# KiCad board LC_RFE-RevA2.kicad_pcb (continued)
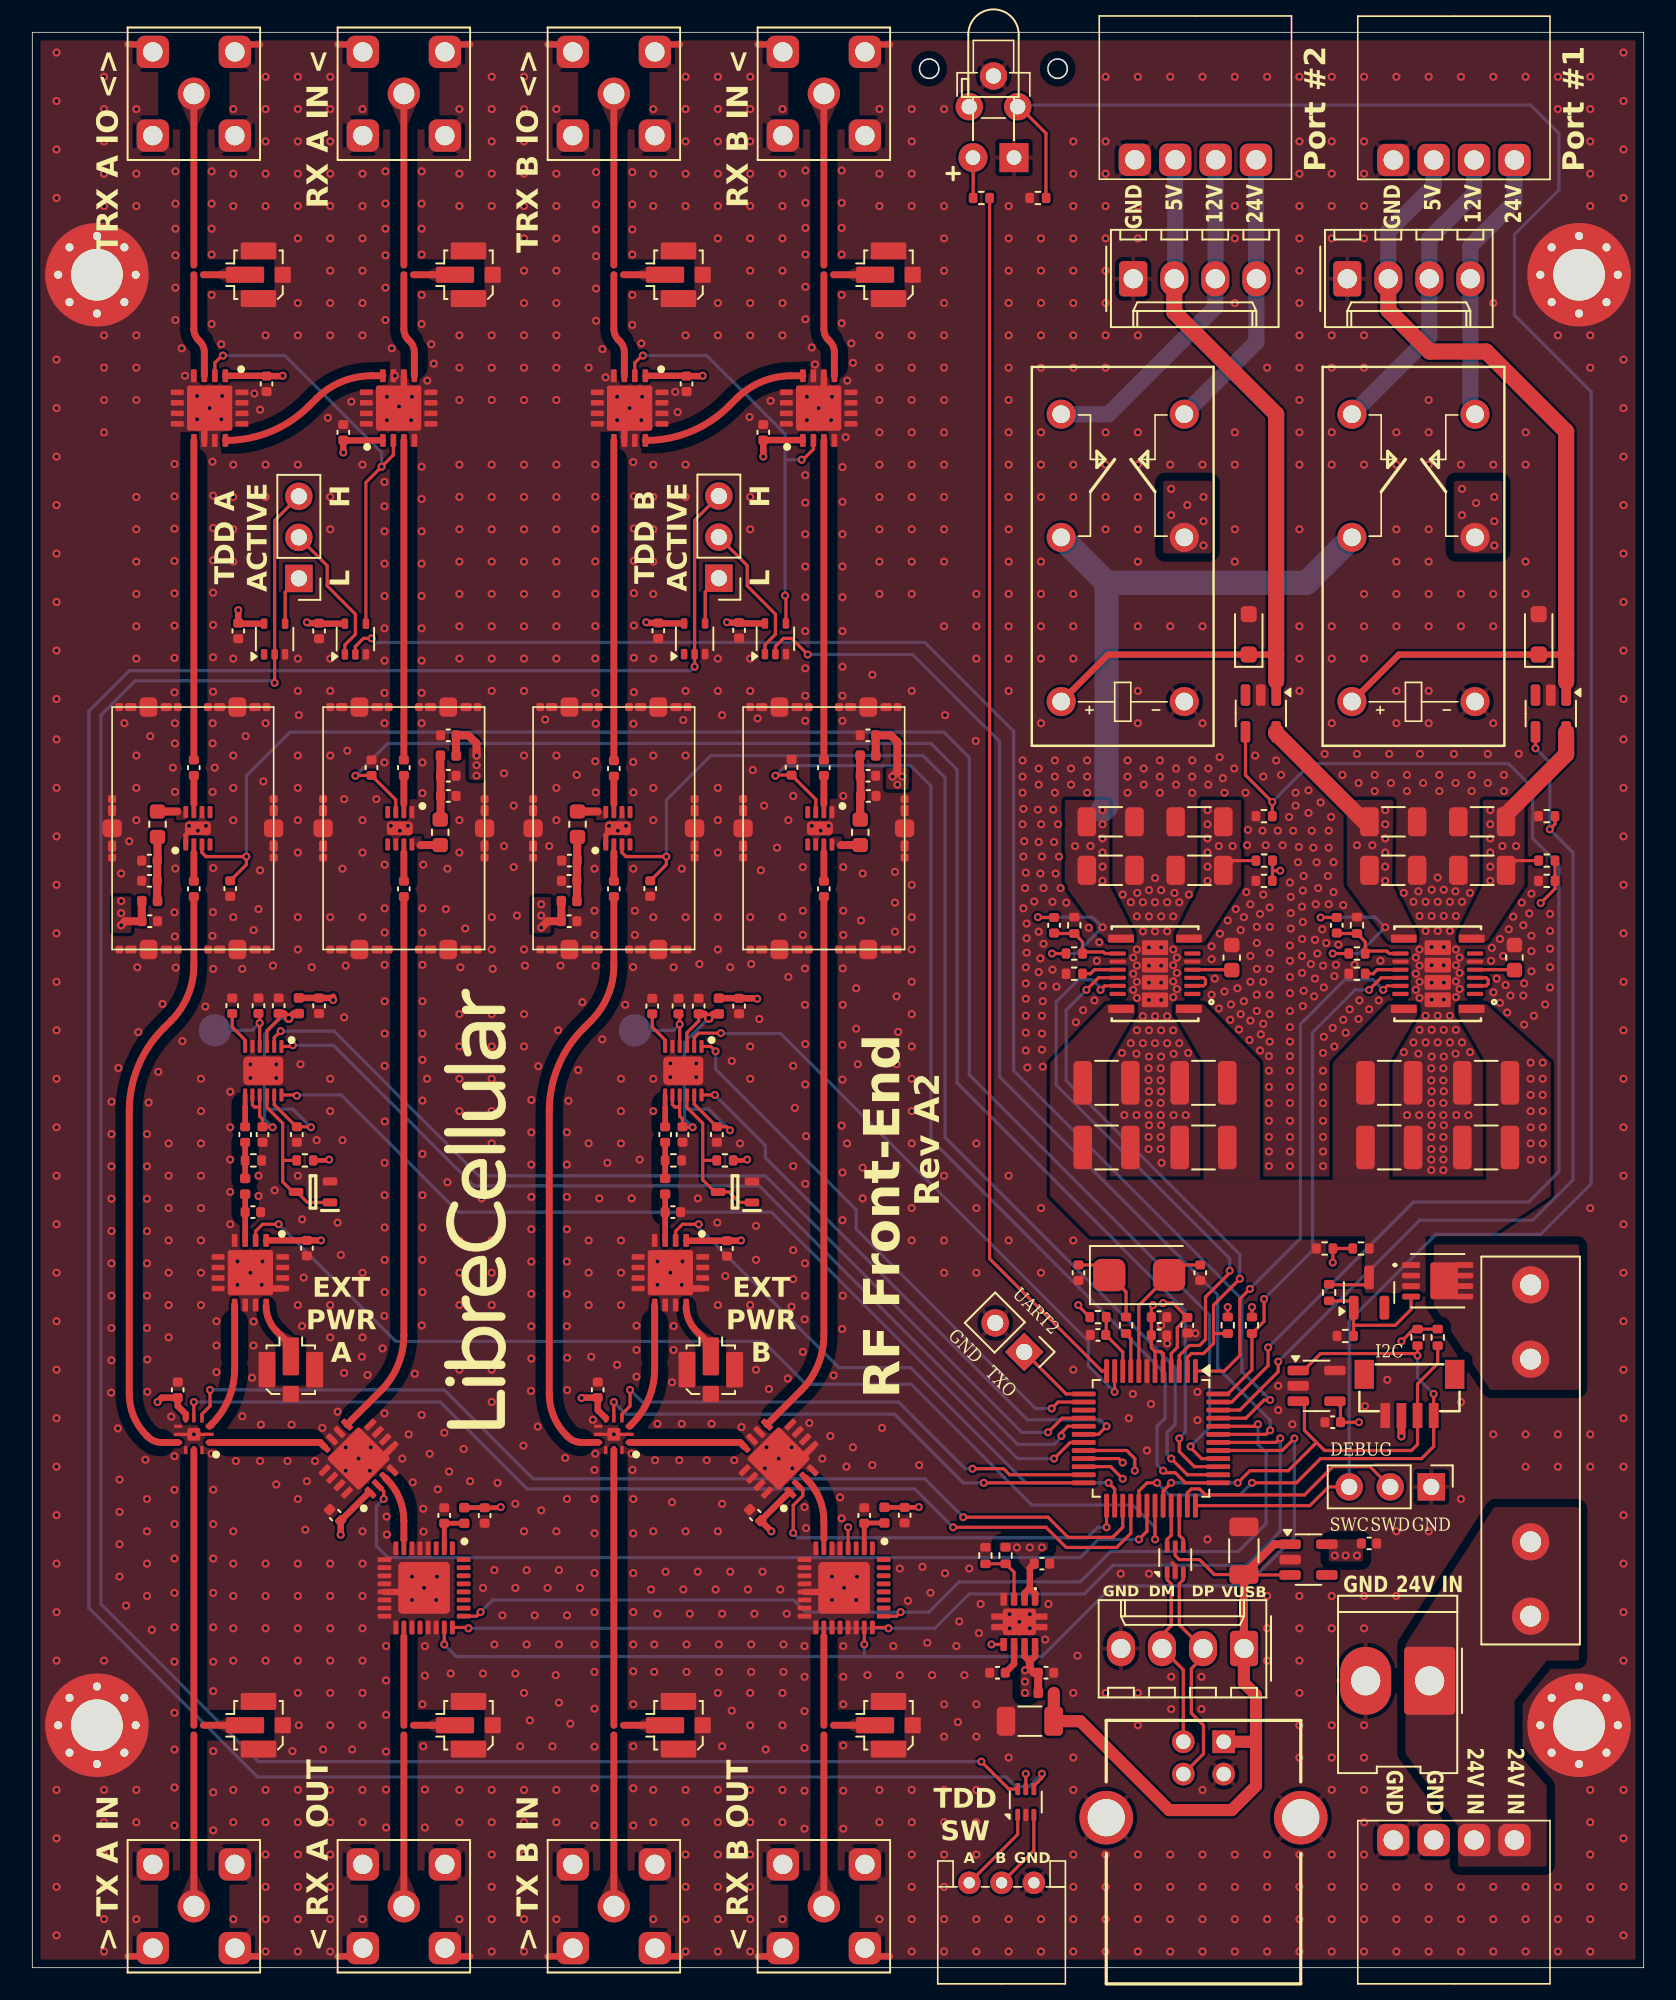
[diagram p0: board, top side]
## Library data of the parts
C201-C204 C211-C214 = -: Description: Unpolarized capacitor; JLCASSY: C597578; ki_fp_filters: C_*
C205 C215 = -: Description: Unpolarized capacitor; JLCASSY: C519560; ki_fp_filters: C_*
C206 C909 C1009 = -: Description: Unpolarized capacitor; ki_fp_filters: C_*
C207-C210 C217-C220 C307 C601 = -: Description: Unpolarized capacitor; JLCASSY: C478862; ki_fp_filters: C_*
C216 = -: Description: Unpolarized capacitor; JLCASSY: C1579; ki_fp_filters: C_*
C301 C308 C603 C701 C801 C902 C1002 C1101 C1201 C1301 C1401 = -: Description: Unpolarized capacitor; JLCASSY: C23733; ki_fp_filters: C_*
C302-C304 C309 C602 C604 C702 C802 C903-C905 C910-C912 C1003-C1005 C1010-C1012 C1105 C1205 C1305 C1405 C1501-C1504 C1601-C1604 = -: Description: Unpolarized capacitor; JLCASSY: C307331; ki_fp_filters: C_*
C305 C306 = -: Description: Unpolarized capacitor; JLCASSY: C1549; ki_fp_filters: C_*
C906 C907 C1006 C1007 = -: Description: Unpolarized capacitor; JLCASSY: C126493; ki_fp_filters: C_*
C908 C1008 = -: Description: Unpolarized capacitor; JLCASSY: C85878; ki_fp_filters: C_*
C1102 C1202 C1302 C1402 = -: Description: Unpolarized capacitor; JLCASSY: C52923; ki_fp_filters: C_*
C1103 C1203 C1303 C1403 = -: Description: Unpolarized capacitor; JLCASSY: C77177; ki_fp_filters: C_*
C1104 C1204 C1304 C1404 = -: Description: Unpolarized capacitor; JLCASSY: C1557; ki_fp_filters: C_*
C1106 C1206 C1306 C1406 = -: Description: Unpolarized capacitor; JLCASSY: C1523; ki_fp_filters: C_*
CON101 CON104 CON105 CON401-CON404 = -: Description: Generic connector, single row, 01x04, script generated (kicad-library-utils/schlib/autogen/connector/); ki_fp_filters: Connector*:*_1x??_*
CON102 J302 = -: Description: Generic connector, single row, 01x02, script generated (kicad-library-utils/schlib/autogen/connector/); ki_fp_filters: Connector*:*_1x??_*
CON103 = -: Description: USB Type B connector; ki_fp_filters: USB*
CON501-CON508 = -: Description: coaxial connector (BNC, SMA, SMB, SMC, Cinch/RCA, LEMO, ...); ki_fp_filters: *BNC* *SMA* *SMB* *SMC* *Cinch* *LEMO* *UMRF* *MCX* *U.FL*
CON509-CON516 CON901 CON1001 = -: Description: uFL coaxial connector; MFG: HCTL; MPN: HC-RF-IPEX0303-01; JLCASSY: C2894919; ki_fp_filters: *BNC* *SMA* *SMB* *SMC* *Cinch* *LEMO* *UMRF* *MCX* *U.FL*
CON517 J301 J1501 J1601 = -: Description: Generic connector, single row, 01x03, script generated (kicad-library-utils/schlib/autogen/connector/); ki_fp_filters: Connector*:*_1x??_*
D101 = -: Description: Zener diode, filled shape; JLCASSY: C82475; ki_fp_filters: TO-???* *_Diode_* *SingleDiode* D_*
D102 D501 = -: Datasheet: https://www.st.com/resource/en/datasheet/usblc6-2.pdf; Description: Very low capacitance ESD protection diode, 2 data-line, SOT-666; JLCASSY: C15999; ki_fp_filters: SOT?666*
D301 = -: Description: Light emitting diode; DIGIKEY: 1497-1043-ND; ki_fp_filters: LED* LED_SMD:* LED_THT:*
D401 D402 = -: Description: Schottky diode; JLCASSY: C191023; ki_fp_filters: TO-???* *_Diode_* *SingleDiode* D_*
F101 = -: Description: Fuse; JLCASSY: C142797; ki_fp_filters: *Fuse*
H1-H4 = -: Description: Mounting Hole with connection; ki_fp_filters: MountingHole*Pad*
IC201 IC202 = -: Datasheet: TPSM63604RDLR; JLCASSY: C5219289; ki_fp_filters: B3QFN20_RDL_TEX
IC301 = -: Datasheet: https://www.st.com/resource/en/datasheet/stm32g0b1cb.pdf; Description: STMicroelectronics Arm Cortex-M0+ MCU, 128KB flash, 144KB RAM, 64 MHz, 1.7-3.6V, 44 GPIO, LQFP48; JLCASSY: C2847904; ki_fp_filters: LQFP*7x7mm*P0.5mm*
IC302 = -: Datasheet: https://www.ti.com/lit/ds/symlink/tps7a05.pdf; Description: 200-mA Ultra-Low-Iq LDO, 3.3V, SOT-23-5; JLCASSY: C493453; ki_fp_filters: SOT?23*
IC303 = -: JLCASSY: C5263776; ki_fp_filters: SOT?23*
IC401 IC402 = -: JLCASSY: C250546
IC601 = -: Datasheet: https://www.onsemi.com/pub/Collateral/NCP59800-D.PDF; Description: LDO Voltage Regulators 1A LOW NOISE RF LDO VOLTAGE REGULATOR; Height: 1; Manufacturer_Name: onsemi; Manufacturer_Part_Number: NCP59800BMNADJTBG; Mouser Part Number: 863-NCP59800BMNADJTB; Mouser Price/Stock: https://www.mouser.co.uk/ProductDetail/onsemi/NCP59800BMNADJTBG?qs=8hV9pjh0QhPP3PgIX3Olww%3D%3D; Arrow Part Number: NCP59800BMNADJTBG; Arrow Price/Stock: https://www.arrow.com/en/products/ncp59800bmnadjtbg/on-semiconductor?region=nac; JLCASSY: C464053
IC701 IC801 = -: Datasheet: https://www.idt.com/document/dst/f1956-datasheet-rev02; Description: The F1956 is part of a family of Glitch-Free DSAs which offers very high reliability due to its monolithic silicon die construction in a compact 5 x 5 mm 32-pin TQFN package. It has very low insertion loss is with minimal distortion and is designed with a 50 input and output impedance. Additionally, the device is designed to have high accurate which improves SNR and/or ACLR by ensuring the system gain is achieved as close to targeted as possible.; Height: 0.8; Manufacturer_Name: Renesas Electronics; Manufacturer_Part_Number: F1956NBGI8; Mouser Part Number: 972-F1956NBGI8; Mouser Price/Stock: https://www.mouser.com/Search/Refine.aspx?Keyword=972-F1956NBGI8; JLCASSY: C1511898
IC901 IC1001 = -: Datasheet: http://www.linear.com/docs/29700; Description: RF Detector 6GHz RMS Power Detector with 12-Bit Serial Output ADC; Height: 0.8; Manufacturer_Name: Analog Devices; Manufacturer_Part_Number: LTC5587IDD#TRPBF; Mouser Part Number: 584-LTC5587IDD#TRPBF; Mouser Price/Stock: https://www.mouser.co.uk/ProductDetail/Analog-Devices/LTC5587IDDTRPBF?qs=hVkxg5c3xu9GOsdnmB0DIw%3D%3D; Arrow Part Number: LTC5587IDD#TRPBF; Arrow Price/Stock: https://www.arrow.com/en/products/ltc5587iddtrpbf/analog-devices?region=nac; JLCASSY: C688698
IC902 IC1002 = -: Datasheet: https://www.analog.com/media/en/technical-documentation/data-sheets/adr5040_5041_5043_5044_5045.pdf; Description: Voltage References Low Cost 2.048V Shunt Voltage Reference; Height: 1.1; Manufacturer_Name: Analog Devices; Manufacturer_Part_Number: ADR5040BKSZ-REEL7; Mouser Part Number: 584-ADR5040BKSZ-R7; Mouser Price/Stock: https://www.mouser.co.uk/ProductDetail/Analog-Devices/ADR5040BKSZ-REEL7?qs=WIvQP4zGanh5K7tQ5HKQVw%3D%3D; Arrow Part Number: ADR5040BKSZ-REEL7; Arrow Price/Stock: https://www.arrow.com/en/products/adr5040bksz-reel7/analog-devices?region=nac; JLCASSY: C659592
IC903 IC905 IC1003 IC1005 IC1501 IC1502 IC1601 IC1602 = -: Datasheet: https://www.skyworksinc.com/-/media/SkyWorks/Documents/Products/101-200/SKY13286_359LF_200570K.pdf; Description: 100 MHz-6 GHz GaAs High Isolation SPDT Non-Reflective Switch; Height: 1; Manufacturer_Name: Skyworks; Manufacturer_Part_Number: SKY13286-359LF; JLCASSY: C3304168
IC904 IC1004 = -: Datasheet: https://www.skyworksinc.com/-/media/SkyWorks/Documents/Products/2201-2300/SKY13588_460LF_203512D.pdf; Description: RF Switch ICs .1-6GHz SP3T IL .45dB -40C +105C; Height: 0.65; Manufacturer_Name: Skyworks; Manufacturer_Part_Number: SKY13588-460LF; Mouser Part Number: 873-SKY13588-460LF; Mouser Price/Stock: https://www.mouser.co.uk/ProductDetail/Skyworks-Solutions-Inc/SKY13588-460LF?qs=Xy3FNZO%2FEu8q7ADFn9Z8ag%3D%3D; JLCASSY: C2151906
IC1101 IC1201 IC1301 IC1401 = -: Datasheet: https://componentsearchengine.com/Datasheets/1/TQL9063.pdf; Description: RF Amplifier 1.5-4.0GHz NF .7dB Gain 19dB; Height: 0.9; Manufacturer_Name: Qorvo; Manufacturer_Part_Number: TQL9063; Mouser Part Number: 772-TQL9063; Mouser Price/Stock: https://www.mouser.co.uk/ProductDetail/Qorvo/TQL9063?qs=Ex32QJu5HxPbzHJTjft58A%3D%3D; JLCASSY: C5346221
IC1503 IC1603 = -: Datasheet: https://www.ti.com/lit/ds/symlink/sn74lvc1g04.pdf; Description: Single NOT Gate, Low-Voltage CMOS; JLCASSY: C8207; ki_fp_filters: SOT?23* Texas?R-PDSO-G5?DCK* Texas?R-PDSO-N5?DRL* Texas?X2SON*0.8x0.8mm*P0.48mm*
IC1504 IC1604 = -: Datasheet: http://www.ti.com/lit/sg/scyt129e/scyt129e.pdf; Description: Single OR Gate, Low-Voltage CMOS; JLCASSY: C7840; ki_fp_filters: SOT* SG-*
K401 K402 = -: ki_fp_filters: Relay?DPST*
L601 L701 L801 L901 L1001 L1101 L1201 L1301 L1401 = -: Description: Inductor, small symbol; JLCASSY: C491491; ki_fp_filters: Choke_* *Coil* Inductor_* L_*
L902 L1002 = -: Description: Inductor, small symbol; JLCASSY: C3911113; ki_fp_filters: Choke_* *Coil* Inductor_* L_*
L1102 L1202 L1302 L1402 = -: Description: Inductor, small symbol; JLCASSY: C19191685; ki_fp_filters: Choke_* *Coil* Inductor_* L_*
MECH1101_a1 MECH1101_b1 MECH1101_c1 MECH1101_d1 MECH1101_e1 MECH1101_f1 MECH1201_a1 MECH1201_b1 MECH1201_c1 MECH1201_d1 MECH1201_e1 MECH1201_f1 MECH1301_a1 MECH1301_b1 MECH1301_c1 MECH1301_d1 MECH1301_e1 MECH1301_f1 MECH1401_a1 MECH1401_b1 MECH1401_c1 MECH1401_d1 MECH1401_e1 MECH1401_f1 = -: JLCASSY: C3308740
Q101 = -: Description: P-MOSFET transistor, drain/gate/source; Sim.Device: PMOS; Sim.Type: VDMOS; Sim.Pins: 1=D 2=G 3=S; JLCASSY: C459171
R101 = -: Description: Resistor; ki_fp_filters: R_*
R102 R202 R203 R206 R207 R301 R306 R401 R402 R602 = -: Description: Resistor; JLCASSY: C2902636; ki_fp_filters: R_*
R103 = -: Description: Resistor; JLCASSY: C2441163; ki_fp_filters: R_*
R104 R106-R108 = -: Description: Resistor; JLCASSY: C728557; ki_fp_filters: R_*
R105 = -: Description: Resistor; JLCASSY: C319479; ki_fp_filters: R_*
R201 = -: Description: Resistor; JLCASSY: C517659; ki_fp_filters: R_*
R204 = -: Description: Resistor; JLCASSY: C47500; ki_fp_filters: R_*
R205 = -: Description: Resistor; JLCASSY: C852775; ki_fp_filters: R_*
R208 = -: Description: Resistor; JLCASSY: C281773; ki_fp_filters: R_*
R302 R901 R1001 = -: Description: Resistor; JLCASSY: C2906937; ki_fp_filters: R_*
R303 = -: Description: Resistor; JLCASSY: C25879; ki_fp_filters: R_*
R304 R305 = -: Description: Resistor; JLCASSY: C25890; ki_fp_filters: R_*
R501-R516 = -: Description: Resistor; MFG: YAGEO; MPN: RC0201FR-070RL; JLCASSY: C106227; ki_fp_filters: R_*
R601 = -: Description: Resistor; JLCASSY: C852715; ki_fp_filters: R_*
R902 R1002 = -: Description: Resistor; JLCASSY: C317908; ki_fp_filters: R_*
SW301 = -: JLCASSY: C2890354
TP901 TP1001 = -: Description: Test point pad 1.5x1.5mm; ki_fp_filters: Pin* Test*
Y301 = -: Description: Two pin crystal; JLCASSY: C3035202; ki_fp_filters: Crystal*

## Footprints (pads in the part's own frame, mm; a bottom-side part is the same pattern mirrored in y, then rotated)
0201-SQUARE
  rrect 0.35x0.35 smd: 1(-0.3,0) 2(0.3,0)
B3QFN-20(5.0x5.5)-RDL0020A
  rrect 1.6x0.508 smd: 1(-2.1,2.175) 8(-2.1,-2.175) 9(2.1,-2.175) 16(2.1,2.175)
  rrect 1x0.254 smd: 2(-2.31,1.25) 3(-2.31,0.75) 4(-2.31,0.25) 5(-2.31,-0.25) 6(-2.31,-0.75) 7(-2.31,-1.25) 10(2.31,-1.25) 11(2.31,-0.75) 12(2.31,-0.25) 13(2.31,0.25) 14(2.31,0.75) 15(2.31,1.25)
  rrect 1.626x0.914 smd: 17(0,-1.613) 18(0,-0.538) 19(0,0.537) 20(0,1.612)
BM04B-SRSS-TB
  rect 0.6x1.55 smd: 1(1.5,1.722) 2(0.5,1.722) 3(-0.5,1.722) 4(-1.5,1.722)
  rect 1.2x1.8 smd: 5(-2.8,-0.826) 5(2.8,-0.826)
C_0402_1005Metric
  rrect 0.56x0.62 smd: 1(-0.48,0) 2(0.48,0)
C_0603_1608Metric
  rrect 0.9x0.95 smd: 1(-0.775,0) 2(0.775,0)
C_1206_3216Metric
  rrect 1.15x1.8 smd: 1(-1.475,0) 2(1.475,0)
C_1210_3225Metric
  rrect 1.15x2.7 smd: 1(-1.475,0) 2(1.475,0)
Connector-2mm-1x3P_S3B-PH-K-S
  round 1.4 hole 0.7: 1(-2,6.25) 2(0,6.25) 3(2,6.25)
Crystal_SMD_5032-2Pin_5.0x3.2mm
  rrect 2x2 smd: 1(-1.85,0) 2(1.85,0)
D_SOD-323_HandSoldering
  rrect 1x1 smd: 1(-1.25,0) 2(1.25,0)
DFN-8(3x3)
  rrect 0.4x0.8 smd: 1(-0.975,-1.4) 2(-0.325,-1.4) 3(0.325,-1.4) 4(0.975,-1.4) 5(0.975,1.4) 6(0.325,1.4) 7(-0.325,1.4) 8(-0.975,1.4)
  rrect 0.8x0.4 smd: EP(-1.338,0.325) EP(-1.338,-0.325) EP(1.338,0.325) EP(1.338,-0.325)
  rrect 2.05x1.64 smd: EP(0,0)
Dorabo_DB2ERC-2.5-4P-GN
  rrect 2x2 hole 1.2: 1(-3.75,-8.9) 2(-1.25,-8.9) 3(1.25,-8.9) 4(3.75,-8.9)
Fuseholder_2x_Littelfuse_100_series_5x20mm
  round 2.3 hole 1.3: 1(0,0) 1(4.6,0) 2(15.9,0) 2(20.5,0)
Harwin_S0941-46R
  rrect 0.48x0.5 smd: 1(-1.81,0) 1(1.81,0)
  rrect 0.7x0.5 smd: 1(-1.1,0) 1(1.1,0)
  rrect 1.1x1.2 smd: 1(0,0)
L_0402_1005Metric
  rrect 0.59x0.64 smd: 1(-0.485,0) 2(0.485,0)
L_0603_1608Metric
  rrect 0.875x0.95 smd: 1(-0.787,0) 2(0.787,0)
LED_D3.0mm_Horizontal_O3.81mm_Z6.0mm
  rect 1.8x1.8 hole 0.9: 1(0,0)
  round 1.8 hole 0.9: 2(2.54,0)
LQFP-48_7x7mm_P0.5mm
  rrect 1.475x0.3 smd: 1(-4.162,2.75) 2(-4.162,2.25) 3(-4.162,1.75) 4(-4.162,1.25) 5(-4.162,0.75) 6(-4.162,0.25) 7(-4.162,-0.25) 8(-4.162,-0.75) 9(-4.162,-1.25) 10(-4.162,-1.75) 11(-4.162,-2.25) 12(-4.162,-2.75) 25(4.162,-2.75) 26(4.162,-2.25) 27(4.162,-1.75) 28(4.162,-1.25) 29(4.162,-0.75) 30(4.162,-0.25) 31(4.162,0.25) 32(4.162,0.75) 33(4.162,1.25) 34(4.162,1.75) 35(4.162,2.25) 36(4.162,2.75)
  rrect 0.3x1.475 smd: 13(-2.75,-4.162) 14(-2.25,-4.162) 15(-1.75,-4.162) 16(-1.25,-4.162) 17(-0.75,-4.162) 18(-0.25,-4.162) 19(0.25,-4.162) 20(0.75,-4.162) 21(1.25,-4.162) 22(1.75,-4.162) 23(2.25,-4.162) 24(2.75,-4.162) 37(2.75,4.162) 38(2.25,4.162) 39(1.75,4.162) 40(1.25,4.162) 41(0.75,4.162) 42(0.25,4.162) 43(-0.25,4.162) 44(-0.75,4.162) 45(-1.25,4.162) 46(-1.75,4.162) 47(-2.25,4.162) 48(-2.75,4.162)
Molex_734120110
  rrect 1x1.5 smd: 1(0,-0.4)
  rrect 1x1 smd: 1(0,-1.5) 2(0,1.5)
  rrect 1.05x2.2 smd: 2(-1.475,0) 2(1.475,0)
Molex_KK-254_AE-6410-04A_1x04_P2.54mm_Vertical
  rrect 1.74x2.19 hole 1.19: 1(0,0)
  oval 1.74x2.19 hole 1.19: 2(2.54,0) 3(5.08,0) 4(7.62,0)
Molex_KK-396_5273-02A_1x02_P3.96mm_Vertical
  rrect 3.16x4.2 hole 1.8: 1(0,0)
  oval 3.16x4.2 hole 1.8: 2(3.96,0)
MountingHole_3.2mm_M3_Pad_Via
  round 0.8 hole 0.5: 1(-2.4,0) 1(-1.697,1.697) 1(-1.697,-1.697) 1(0,2.4) 1(0,-2.4) 1(1.697,1.697) 1(1.697,-1.697) 1(2.4,0)
  round 6.4 hole 3.2: 1(0,0)
Omron_P6B-26P+G6B-2214
  round 1.8 hole 1.1: 1(-3.81,8.985) 3(-3.81,-1.175) 4(-3.81,-8.795) 5(3.81,-8.795) 6(3.81,-1.175) 8(3.81,8.985)
PinHeader_1x02_P2.54mm_Vertical
  rect 1.7x1.7 hole 1: 1(0,0)
  oval 1.7x1.7 hole 1: 2(0,-2.54)
PinHeader_1x03_P2.54mm_Vertical
  rect 1.7x1.7 hole 1: 1(0,0)
  oval 1.7x1.7 hole 1: 2(0,-2.54) 3(0,-5.08)
PushButton-TCB73B-H048-L1
  round 1.7 hole 0.95: 1(-1.5,4.1) 2(1.5,4.1) 3(0,2.2)
QFN50P200X200X65-13N-D
  rrect 0.5x0.2 smd: 1(-0.975,0.5) 2(-0.975,0) 3(-0.975,-0.5) 7(0.975,-0.5) 8(0.975,0) 9(0.975,0.5)
  rrect 0.2x0.5 smd: 4(-0.5,-0.975) 5(0,-0.975) 6(0.5,-0.975) 10(0.5,0.975) 11(0,0.975) 12(-0.5,0.975)
  rrect 0.8x0.8 smd: 13(0,0)
QFN50P500X500X80-33N-D
  rrect 0.85x0.3 smd: 1(-2.45,1.75) 2(-2.45,1.25) 3(-2.45,0.75) 4(-2.45,0.25) 5(-2.45,-0.25) 6(-2.45,-0.75) 7(-2.45,-1.25) 8(-2.45,-1.75) 17(2.45,-1.75) 18(2.45,-1.25) 19(2.45,-0.75) 20(2.45,-0.25) 21(2.45,0.25) 22(2.45,0.75) 23(2.45,1.25) 24(2.45,1.75)
  rrect 0.3x0.85 smd: 9(-1.75,-2.45) 10(-1.25,-2.45) 11(-0.75,-2.45) 12(-0.25,-2.45) 13(0.25,-2.45) 14(0.75,-2.45) 15(1.25,-2.45) 16(1.75,-2.45) 25(1.75,2.45) 26(1.25,2.45) 27(0.75,2.45) 28(0.25,2.45) 29(-0.25,2.45) 30(-0.75,2.45) 31(-1.25,2.45) 32(-1.75,2.45)
  rrect 3.2x3.2 smd: 33(0,0)
QFN65P400X400X100-17N-D
  rrect 0.8x0.35 smd: 1(-2,0.975) 2(-2,0.325) 3(-2,-0.325) 4(-2,-0.975) 9(2,-0.975) 10(2,-0.325) 11(2,0.325) 12(2,0.975)
  rrect 0.35x0.8 smd: 5(-0.975,-2) 6(-0.325,-2) 7(0.325,-2) 8(0.975,-2) 13(0.975,2) 14(0.325,2) 15(-0.325,2) 16(-0.975,2)
  rrect 2.8x2.8 smd: 17(0,0)
R_0402_1005Metric
  rrect 0.54x0.64 smd: 1(-0.51,0) 2(0.51,0)
Samtec_SMA-J-P-H-RA-TH1_W_CLEARANCE
  round 2 hole 1.3: 1(0,-4.5)
  rrect 2x2 hole 1.2: 2(-2.54,-1.91) 2(-2.54,-7.09) 2(2.54,-1.91) 2(2.54,-7.09)
Samtec_USBR-B-S-F-O-TH
  rect 1.408x1.408 hole 0.9: 1(-1.25,-14.98)
  round 1.408 hole 0.9: 2(1.25,-14.98) 3(1.25,-12.98) 4(-1.25,-12.98)
  round 3.316 hole 2.3: 5(-6.02,-10.28) 5(6.02,-10.28)
SON45P300X300X80-13N-D
  rrect 0.8x0.25 smd: 1(-1.5,1.125) 2(-1.5,0.675) 3(-1.5,0.225) 4(-1.5,-0.225) 5(-1.5,-0.675) 6(-1.5,-1.125) 7(1.5,-1.125) 8(1.5,-0.675) 9(1.5,-0.225) 10(1.5,0.225) 11(1.5,0.675) 12(1.5,1.125)
  rrect 1.75x2.48 smd: 13(0,0)
SON50P200X200X90-9N
  rrect 0.75x0.3 smd: 1(-1,0.75) 2(-1,0.25) 3(-1,-0.25) 4(-1,-0.75) 5(1,-0.75) 6(1,-0.25) 7(1,0.25) 8(1,0.75)
  rrect 0.85x1.605 smd: 9(0,0)
SOT65P210X110-3N
  rrect 0.9x0.5 smd: 1(-1.05,0.65) 2(-1.05,-0.65) 3(1.05,0)
SOT-23
  rrect 1.475x0.6 smd: 1(-0.938,0.95) 2(-0.938,-0.95) 3(0.938,0)
SOT-23-5
  rrect 1.325x0.6 smd: 1(-1.137,0.95) 2(-1.137,0) 3(-1.137,-0.95) 4(1.137,-0.95) 5(1.137,0.95)
SOT-353_SC-70-5
  rrect 0.65x0.4 smd: 1(-0.95,0.65) 2(-0.95,0) 3(-0.95,-0.65) 4(0.95,-0.65) 5(0.95,0.65)
SOT-666
  rrect 0.75x0.3 smd: 1(-0.8,0.5) 2(-0.8,0) 3(-0.8,-0.5) 4(0.8,-0.5) 5(0.8,0) 6(0.8,0.5)
TestPoint_Pad_D2.0mm
  round 2 smd: 1(0,0)
TSDSON-8(3.3x3.3)
  rrect 0.36x1.1 smd: D(-0.975,1.65) D(-0.325,1.65) D(0.325,1.65) D(0.975,1.65) G(0.975,-1.65) S(-0.975,-1.65) S(-0.325,-1.65) S(0.325,-1.65)
  rrect 2.29x1.71 smd: D(0,0.395)
TSOT-23-5
  rrect 1.325x0.6 smd: 1(-1.137,0.95) 2(-1.137,0) 3(-1.137,-0.95) 4(1.137,-0.95) 5(1.137,0.95)

## Nets
3V3_D: C301.1 C302.1 C303.1 C308.1 C309.1 C1503.1 C1504.1 C1603.1 C1604.1 CON105.2 D501.5 IC301.4 IC301.5 IC301.6 IC302.5 IC303.4 IC1503.5 IC1504.5 IC1603.5 IC1604.5 R202.1 R206.1 R301.1 R304.2 R305.2 SW301.2
3V3_RF: C603.1 C701.1 C801.1 C902.1 C910.1 C911.1 C912.1 C1002.1 C1010.1 C1011.1 C1012.1 C1501.1 C1502.1 C1601.1 C1602.1 IC601.1 IC601.2 IC801.4 IC903.1 IC904.6 IC905.1 IC1003.1 IC1004.6 IC1005.1 IC1501.1 IC1502.1 IC1601.1 IC1602.1 L701.1 L801.1 L901.1 L1001.1 R601.1 R901.1 R1001.1
5V_RF: C602.1 C1101.1 C1201.1 C1301.1 C1401.1 IC601.5 IC601.7 IC601.8 L601.2 L1101.1 L1201.1 L1301.1 L1401.1
+5V: C216.1 C217.1 C218.1 C219.1 C220.1 IC202.8 IC202.9 IC401.5 IC402.5 R107.1 R205.1
+12V: C206.1 C207.1 C208.1 C209.1 C210.1 IC201.8 IC201.9 K401.6 K402.6 R105.1 R201.1
+24V: C201.1 C202.1 C203.1 C204.1 C211.1 C212.1 C213.1 C214.1 D101.3 IC201.1 IC201.16 IC202.1 IC202.16 K401.3 K402.3 Q101.S R101.1 R103.1
/5V_SENSE: IC301.20 R107.2 R108.1
/12V_SENSE: IC301.21 R105.2 R106.1
/24V_F: F101.2 Q101.D
/24V_IN: CON101.1 CON101.2 CON102.1 F101.1
/24V_SENSE: IC301.22 R103.2 R104.1
GND: C201.2 C202.2 C203.2 C204.2 C205.2 C207.2 C208.2 C209.2 C210.2 C211.2 C212.2 C213.2 C214.2 C215.2 C217.2 C218.2 C219.2 C220.2 C301.2 C302.2 C303.2 C304.2 C305.1 C306.1 C307.2 C308.2 C309.2 C601.2 C602.2 C603.2 C604.2 C701.2 C702.2 C801.2 C802.2 C902.2 C903.2 C904.2 C905.2 C906.2 C908.2 C909.2 C910.2 C911.2 C912.2 C1002.2 C1003.2 C1004.2 C1005.2 C1006.2 C1008.2 C1009.2 C1010.2 C1011.2 C1012.2 C1101.2 C1102.2 C1105.2 C1106.2 C1201.2 C1202.2 C1205.2 C1206.2 C1301.2 C1302.2 C1305.2 C1306.2 C1401.2 C1402.2 C1405.2 C1406.2 C1501.2 C1502.2 C1503.2 C1504.2 C1601.2 C1602.2 C1603.2 C1604.2 CON101.3 CON101.4 CON102.2 CON103.4 CON103.5 CON104.4 CON105.1 CON401.1 CON402.1 CON403.1 CON404.1 CON501.2 CON502.2 CON503.2 CON504.2 CON505.2 CON506.2 CON507.2 CON508.2 CON509.2 CON510.2 CON511.2 CON512.2 CON513.2 CON514.2 CON515.2 CON516.2 CON517.3 CON901.2 CON1001.2 D102.2 D301.1 D401.2 D402.2 D501.2 H1.1 H2.1 H3.1 H4.1 IC201.6 IC201.11 IC201.17 IC201.18 IC201.19 IC201.20 IC202.6 IC202.11 IC202.17 IC202.18 IC202.19 IC202.20 IC301.7 IC302.2 IC303.2 IC303.5 IC401.2 IC402.2 IC601.4 IC601.EP IC701.4 IC701.5 IC701.6 IC701.8 IC701.9 IC701.10 IC701.11 IC701.12 IC701.13 IC701.14 IC701.15 IC701.16 IC701.17 IC701.19 IC701.21 IC701.22 IC701.33 IC801.5 IC801.6 IC801.8 IC801.9 IC801.10 IC801.11 IC801.12 IC801.13 IC801.14 IC801.15 IC801.16 IC801.17 IC801.19 IC801.21 IC801.22 IC801.33 IC901.5 IC901.13 IC902.2 IC903.4 IC903.5 IC903.6 IC903.7 IC903.8 IC903.10 IC903.11 IC903.13 IC903.14 IC903.15 IC903.16 IC903.17 IC904.2 IC904.7 IC904.8 IC904.10 IC904.12 IC904.13 IC905.4 IC905.5 IC905.6 IC905.7 IC905.8 IC905.10 IC905.11 IC905.13 IC905.14 IC905.15 IC905.16 IC905.17 IC1001.5 IC1001.13 IC1002.2 IC1003.4 IC1003.5 IC1003.6 IC1003.7 IC1003.8 IC1003.10 IC1003.11 IC1003.13 IC1003.14 IC1003.15 IC1003.16 IC1003.17 IC1004.2 IC1004.7 IC1004.8 IC1004.10 IC1004.12 IC1004.13 IC1005.4 IC1005.5 IC1005.6 IC1005.7 IC1005.8 IC1005.10 IC1005.11 IC1005.13 IC1005.14 IC1005.15 IC1005.16 IC1005.17 IC1101.1 IC1101.6 IC1101.9 IC1201.1 IC1201.6 IC1201.9 IC1301.1 IC1301.6 IC1301.9 IC1401.1 IC1401.6 IC1401.9 IC1501.4 IC1501.5 IC1501.6 IC1501.7 IC1501.8 IC1501.10 IC1501.11 IC1501.13 IC1501.14 IC1501.15 IC1501.16 IC1501.17 IC1502.4 IC1502.5 IC1502.6 IC1502.7 IC1502.8 IC1502.10 IC1502.11 IC1502.13 IC1502.14 IC1502.15 IC1502.16 IC1502.17 IC1503.3 IC1504.3 IC1601.4 IC1601.5 IC1601.6 IC1601.7 IC1601.8 IC1601.10 IC1601.11 IC1601.13 IC1601.14 IC1601.15 IC1601.16 IC1601.17 IC1602.4 IC1602.5 IC1602.6 IC1602.7 IC1602.8 IC1602.10 IC1602.11 IC1602.13 IC1602.14 IC1602.15 IC1602.16 IC1602.17 IC1603.3 IC1604.3 J301.1 J302.2 K401.1 K402.1 MECH1101_a1.1 MECH1101_b1.1 MECH1101_c1.1 MECH1101_d1.1 MECH1101_e1.1 MECH1101_f1.1 MECH1201_a1.1 MECH1201_b1.1 MECH1201_c1.1 MECH1201_d1.1 MECH1201_e1.1 MECH1201_f1.1 MECH1301_a1.1 MECH1301_b1.1 MECH1301_c1.1 MECH1301_d1.1 MECH1301_e1.1 MECH1301_f1.1 MECH1401_a1.1 MECH1401_b1.1 MECH1401_c1.1 MECH1401_d1.1 MECH1401_e1.1 MECH1401_f1.1 R102.2 R104.2 R106.2 R108.2 R203.2 R204.2 R207.2 R208.2 R306.2 R401.2 R402.2 R602.2 R902.2 R1002.2 SW301.3
/External Power/PORT_1_5V: CON401.2 CON403.2 D401.1 IC401.1 K401.8
/External Power/PORT_1_12V: CON401.3 CON403.3 K401.5
/External Power/PORT_1_24V: CON401.4 CON403.4 K401.4
/External Power/PORT_1_EN: IC301.46 IC401.4 R401.1
/External Power/PORT_2_5V: CON402.2 CON404.2 D402.1 IC402.1 K402.8
/External Power/PORT_2_12V: CON402.3 CON404.3 K402.5
/External Power/PORT_2_24V: CON402.4 CON404.4 K402.4
/External Power/PORT_2_EN: IC301.47 IC402.4 R402.1
/MCU/LED: IC301.12 R303.1
/MCU/RESET: C304.1 IC301.10 R301.2
/MCU/SCL: CON105.4 IC301.29 IC303.1 R305.1
/MCU/SDA: CON105.3 IC301.32 IC303.3 R304.1
/MCU/STM32_PA0_SPI2_SCK: IC301.11 IC1001.2
/MCU/STM32_PA3_SPI2_MISO: IC301.14 IC1001.1
/MCU/STM32_PA5_SPI1_SCK: IC301.16 IC901.2
/MCU/STM32_PA6_SPI1_MISO: IC301.17 IC901.1
/MCU/STM32_PA7: IC301.18 IC1001.12
/MCU/STM32_PA8: IC301.28 IC904.5
/MCU/STM32_PA15: C1205.1 IC301.37 IC1201.3
/MCU/STM32_PB0: IC301.19 IC901.12
/MCU/STM32_PB3_SPI3_SCK: IC301.42 IC701.24 IC801.24
/MCU/STM32_PB4: IC301.43 IC1604.2
/MCU/STM32_PB5_SPI3_MOSI: IC301.44 IC701.25 IC801.25
/MCU/STM32_PB6: IC301.45 IC1504.2
/MCU/STM32_PB9: IC202.13 IC301.48 R206.2
/MCU/STM32_PB11: IC301.23 IC1004.4
/MCU/STM32_PB12: IC301.24 IC1004.5
/MCU/STM32_PB13: IC301.25 IC1005.2
/MCU/STM32_PB14: IC301.26 IC1003.2
/MCU/STM32_PB15: IC301.27 IC904.4
/MCU/STM32_PC6: IC301.30 IC905.2
/MCU/STM32_PC7: IC301.31 IC903.2
/MCU/STM32_PC13: IC202.14 IC301.1
/MCU/STM32_PC14: IC201.13 IC301.2 R202.2
/MCU/STM32_PC15: IC201.14 IC301.3
/MCU/STM32_PD0: C1405.1 IC301.38 IC1401.3
/MCU/STM32_PD1: C1105.1 IC301.39 IC1101.3
/MCU/STM32_PD2: C1305.1 IC301.40 IC1301.3
/MCU/STM32_PD3: IC301.41 IC701.23 IC801.23
/MCU/STM32_USB_DM: D102.6 IC301.33
/MCU/STM32_USB_DP: D102.4 IC301.34
/MCU/SWCLK: IC301.36 J301.3 R306.1 SW301.1
/MCU/SWDIO: IC301.35 J301.2
/MCU/USART2_TX: IC301.13 J302.1
/RF/CH_A_RX: IC1502.9 R511.1 R512.1
/RF/CH_A_TRX: IC1501.3 R509.1 R510.1
/RF/CH_B_RX: IC1602.9 R515.1 R516.1
/RF/CH_B_TRX: IC1601.3 R513.1 R514.1
/RF/LNA A/RF_IN: C1103.1 IC1502.3
/RF/LNA A/RF_OUT: C1104.2 IC905.9
/RF/LNA B/RF_IN: C1203.1 IC1602.3
/RF/LNA B/RF_OUT: C1204.2 IC1005.9
/RF/PA A/RF_IN: C1303.1 IC904.9
/RF/PA A/RF_OUT: C1304.2 IC1501.9
/RF/PA B/RF_IN: C1403.1 IC1004.9
/RF/PA B/RF_OUT: C1404.2 IC1601.9
/RF/Power Measurement A/SDR_RX: IC701.7 IC905.3
/RF/Power Measurement B/SDR_RX: IC801.7 IC1005.3
/RF/SDR_CH_A_RX: IC701.18 R503.2 R504.2
/RF/SDR_CH_A_TX: IC904.11 R501.2 R502.2
/RF/SDR_CH_B_RX: IC801.18 R507.2 R508.2
/RF/SDR_CH_B_TX: IC1004.11 R505.2 R506.2
/USB_DM: CON103.2 CON104.3 D102.1
/USB_DP: CON103.3 CON104.2 D102.3
TDD_A_CTRL_EXT: D501.6 IC1503.2 J1501.3
TDD_B_CTRL_EXT: D501.4 IC1603.2 J1601.3
VUSB: C307.1 C601.1 CON103.1 CON104.1 D102.5 IC302.1 IC302.3 L601.1
Net-(C306-Pad2): C306.2 R302.1 Y301.1
Net-(C907-Pad1): C907.1 L902.2 R902.1
Net-(C1007-Pad1): C1007.1 L1002.2 R1002.1
Net-(C1102-Pad1): C1102.1 C1106.1 L1101.2 L1102.1
Net-(C1202-Pad1): C1202.1 C1206.1 L1201.2 L1202.1
Net-(C1302-Pad1): C1302.1 C1306.1 L1301.2 L1302.1
Net-(C1402-Pad1): C1402.1 C1406.1 L1401.2 L1402.1
Net-(CON501-In): CON501.1 R509.2
Net-(CON502-In): CON502.1 R511.2
Net-(CON503-In): CON503.1 R513.2
Net-(CON504-In): CON504.1 R515.2
Net-(CON505-In): CON505.1 R501.1
Net-(CON506-In): CON506.1 R503.1
Net-(CON507-In): CON507.1 R505.1
Net-(CON508-In): CON508.1 R507.1
Net-(CON509-In): CON509.1 R510.2
Net-(CON510-In): CON510.1 R512.2
Net-(CON511-In): CON511.1 R514.2
Net-(CON512-In): CON512.1 R516.2
Net-(CON513-In): CON513.1 R502.1
Net-(CON514-In): CON514.1 R504.1
Net-(CON515-In): CON515.1 R506.1
Net-(CON516-In): CON516.1 R508.1
Net-(CON517-Pin_1): CON517.1 D501.1
Net-(CON517-Pin_2): CON517.2 D501.3
Net-(CON901-In): CON901.1 IC903.12
Net-(CON1001-In): CON1001.1 IC1003.12
Net-(D101-A): D101.1 Q101.G R101.2 R102.1
Net-(D301-A): D301.2 R303.2
Net-(IC201-CBOOT): IC201.3 IC201.4
Net-(IC201-FB): C206.2 IC201.10 R201.2 R203.1
Net-(IC201-RT): IC201.12 R204.1
Net-(IC201-VLDOIN): C205.1 IC201.5
Net-(IC202-CBOOT): IC202.3 IC202.4
Net-(IC202-FB): C216.2 IC202.10 R205.2 R207.1
Net-(IC202-RT): IC202.12 R208.1
Net-(IC202-VLDOIN): C215.1 IC202.5
Net-(IC301-PF0-OSC_IN): C305.2 IC301.8 Y301.2
Net-(IC301-PF1-OSC_OUT): IC301.9 R302.2
Net-(IC601-FB/SNS): IC601.3 R601.2 R602.1
Net-(IC601-NR): C604.1 IC601.6
Net-(IC701-VDD): C702.1 IC701.2 L701.2
Net-(IC801-VDD): C802.1 IC801.2 L801.2
Net-(IC901-CSQ): C909.1 IC901.6
Net-(IC901-EN): C903.1 C904.1 C905.1 IC901.3 IC901.8 IC901.9 IC901.11 L901.2
Net-(IC901-RF): C907.2 IC901.7
Net-(IC901-VOUT): C906.1 IC901.4 TP901.1
Net-(IC901-VREF): IC901.10 IC902.1 IC902.3 R901.2
Net-(IC903-RF2): IC903.9 IC904.3
Net-(IC903-RFC): C908.1 IC903.3 L902.1
Net-(IC904-J1): IC904.1 IC905.12
Net-(IC1001-CSQ): C1009.1 IC1001.6
Net-(IC1001-EN): C1003.1 C1004.1 C1005.1 IC1001.3 IC1001.8 IC1001.9 IC1001.11 L1001.2
Net-(IC1001-RF): C1007.2 IC1001.7
Net-(IC1001-VOUT): C1006.1 IC1001.4 TP1001.1
Net-(IC1001-VREF): IC1001.10 IC1002.1 IC1002.3 R1001.2
Net-(IC1003-RF2): IC1003.9 IC1004.3
Net-(IC1003-RFC): C1008.1 IC1003.3 L1002.1
Net-(IC1004-J1): IC1004.1 IC1005.12
Net-(IC1101-RF_IN): C1103.2 IC1101.2
Net-(IC1101-RF_OUT): C1104.1 IC1101.7
Net-(IC1101-VDD): IC1101.8 L1102.2
Net-(IC1201-RF_IN): C1203.2 IC1201.2
Net-(IC1201-RF_OUT): C1204.1 IC1201.7
Net-(IC1201-VDD): IC1201.8 L1202.2
Net-(IC1301-RF_IN): C1303.2 IC1301.2
Net-(IC1301-RF_OUT): C1304.1 IC1301.7
Net-(IC1301-VDD): IC1301.8 L1302.2
Net-(IC1401-RF_IN): C1403.2 IC1401.2
Net-(IC1401-RF_OUT): C1404.1 IC1401.7
Net-(IC1401-VDD): IC1401.8 L1402.2
Net-(IC1501-RF1): IC1501.12 IC1502.12
Net-(IC1501-VCTL): IC1501.2 IC1502.2 IC1504.4
Net-(IC1601-RF1): IC1601.12 IC1602.12
Net-(IC1601-VCTL): IC1601.2 IC1602.2 IC1604.4
Net-(J1501-Pin_1): IC1503.4 J1501.1
Net-(J1501-Pin_2): IC1504.1 J1501.2
Net-(J1601-Pin_1): IC1603.4 J1601.1
Net-(J1601-Pin_2): IC1604.1 J1601.2

Pads without a net: CON105 5; D101 2; IC201 2 7 15; IC202 2 7 15; IC301 15; IC302 4; IC401 3; IC402 3; IC701 1 3 20 26 27 28 29 30 31 32; IC801 1 3 20 26 27 28 29 30 31 32; IC1101 4 5; IC1201 4 5; IC1301 4 5; IC1401 4 5; IC1503 1; IC1603 1

## Via types
v1: diameter 0.5, hole 0.25, Top to Bottom, 2199 vias
v2: diameter 0.6, hole 0.3, Top to Bottom, 2 vias

## Routing (per net, layer and track width the routed paths; a pad name or vN(x,y) marks a point on that pad's centre or on a via; arc(x,y) is an arc through that point)
3V3_D: length 257.6
  Top w0.2: v1(82.12,33.75) C309.1 80.98,34.71 IC303.4 ; v1(69.38,41) 69.27,40.89 C301.1 C302.1 69.27,38.36 69.5,38.12 ; IC301.5 70,38 69.88,38.12 69.5,38.12 ; 69.5,38.12 IC301.6 ; IC301.4 70.5,38 70.88,38.38 70.88,39.61 C303.1 70.6,41.12 v1(70,41.12) ; R206.1 v1(75.5,40.88) ; R304.2 R305.2 85.51,39.51 v1(84.75,38.75) ; R202.1 v1(74,40.88) ; D501.5 v1(61.5,12) ; R301.1 64.75,40.96 v1(64.75,41)
  Top w0.4: v1(43,83.25) 43.02,83.23 C1604.1 43.81,83.17 IC1604.5 ; v1(17,83.25) 17.06,83.19 C1503.1 17.78,83.16 IC1504.5 ; v1(38,83.25) 38.05,83.2 C1603.1 38.78,83.17 IC1603.5 ; v1(12.75,84) C1504.1 12.78,83.16 IC1503.5
  Top w0.5: CON105.2 v1(84.75,32.88)
  In2.Cu w0.2: v1(75.5,40.88) v1(74,40.88) 71,40.88 70.62,40.5 ; v1(84.75,38.75) v1(84.75,32.88) ; v1(61.5,12) 65.62,16.12 65.62,24.38 66.75,25.5 ; SW301.2 56.5,113.65 56.5,110.25 57.88,108.88 57.88,86.62 53.38,82.12 ; v1(64.75,41) v1(69.38,41)
  In2.Cu w0.4: v1(38,83.25) 38,84 ; v1(43,83.25) 43,84 ; v1(17,83.25) 17,84
  In2.Cu w0.5: v1(82,25.5) 86.88,25.5 89.75,28.38 89.75,31.12 88,32.88 v1(84.75,32.88) 83,32.88 v1(82.12,33.75) ; v1(12.75,84) 51.5,84 55.25,80.25 55.25,37 63.12,29.12
  In2.Cu w0.75: v1(82,25.5) 66.75,25.5 63.12,29.12 63.12,29.25 66.38,32.5 68.25,32.5 71.12,35.38 71.12,40 70.12,41 v1(69.38,41)
  Bottom w0.2: v1(70,41.12) 69.88,41 v1(69.38,41)
  vias: v1(80.62,25.5) v1(81.3,25.5)
3V3_RF: length 312.8
  Top w0.2: 44.2,49.95 v1(44.25,50) ; IC801.4 v1(50.5,27.25) ; 18.33,49.95 v1(18.38,50)
  Top w0.3: v1(29,28.5) 28.96,28.46 C701.1 ; L701.1 28,28.47 ; R901.1 18.33,49.95 ; R1001.1 44.2,49.95 ; 54.86,28.48 C801.1 52.75,28.48
  Top w0.4: v1(41.5,98.5) 41.48,98.48 C1601.1 40.48,98.5 IC1601.1 ; L901.1 17.75,60 C902.1 18.55,60 18.62,60.08 ; C603.1 61.75,24.73 61.75,23.5 ; IC1003.1 40.5,44.98 C1012.1 43.86,44.98 v1(43.88,45) ; 52.75,28.48 L801.1 ; IC601.2 61.42,23.18 61.75,23.5 ; v1(19.09,26.79) C911.1 20.83,29.4 IC905.1 ; 62.08,22.8 62.08,23.18 61.75,23.5 ; v1(45.75,27) C1011.1 46.83,29.4 IC1005.1 ; v1(34,35.25) 34.02,35.27 C1010.1 35,34.5 35.5,34 IC1004.6 ; 28,28.47 C701.1 ; v1(19.25,93.75) C1502.1 19.27,94.5 IC1502.1 ; 54.86,28.48 v1(54.88,28.5) ; IC1501.1 14.48,98.5 C1501.1 15.48,98.48 v1(15.5,98.5) ; v1(17.88,45) C912.1 IC903.1 ; v1(7.75,35) 8.02,35.27 C910.1 9,34.75 9.5,34.25 IC904.6 ; L1001.1 43.75,59.98 C1002.1 44.84,59.98 v1(44.88,59.95) ; IC1602.1 47.68,94.52 C1602.1 v1(45.25,93.5)
  In2.Cu w0.3: 46,50 46.12,50.12 46.12,50.75
  In2.Cu w0.4: 55.62,28.5 55.88,28.75 ; v1(7.75,35) 7.75,33.75 10.7,30.8 11.8,30.8 16.6,26 19.12,26 ; 41.5,94.5 41,94.5 40.88,94.62 ; v1(19.09,26.79) 19.12,26.75 ; v1(19.25,93.75) 19.25,94.5 ; 15.5,94.62 15.62,94.5
  In2.Cu w0.5: v1(17.88,45) 20.25,45 ; v1(45.75,27) 45.75,26 ; v1(18.38,50) 20.25,50 ; v1(54.88,28.5) 55.62,28.5 ; v1(50.5,27.25) 50.5,26 ; v1(15.5,98.5) 15.5,94.62 ; v1(18.62,59.88) 20.25,59.88 ; v1(43.88,45) 46.12,45 ; 40.88,94.62 40.88,97.88 v1(41.5,98.5) ; v1(29,28.5) 29,26 ; v1(34,35.25) 34,26 ; 19.12,26.75 19.12,26 ; 44.88,59.75 46.12,59.75 ; v1(44.25,50) 46,50
  In2.Cu w0.75: 19.12,26 55.88,26 ; 55.88,26 55.88,28.75 46.12,38.5 46.12,60.12 45.38,60.88 20.25,60.88 ; 55.88,26 v1(60.95,26) ; 20.25,60.88 6,60.88 3.88,63 3.88,92 6.38,94.5 42.25,94.5 43.25,93.5 v1(45.25,93.5) ; 20.25,60.88 20.25,45
  vias: v1(61.75,26) v1(62.5,26)
5V_RF: length 140.3
  Top w0.2: IC601.5 v1(59.38,20)
  Top w0.4: 32.75,64.75 C1401.1 ; 62.08,19.69 62.08,19.26 61.75,18.94 61.42,19.26 61.42,19.69
  Top w0.5: L601.2 62.27,18.25 C602.1 62,18.25 61.75,18.5 61.75,18.94 ; v1(27.5,75) 27.5,75.75 27,76.25 C1101.1 26.23,75 L1101.1 ; L1301.1 6.78,64.76 C1301.1 5.75,64.75 v1(5.5,64.5) ; v1(31.5,64.35) 31.9,64.75 C1401.1 32.75,66 L1401.1 ; L1201.1 52.21,75 C1201.1 53.15,76.25 53.55,75.85 53.55,74 v1(53.25,73.7)
  In2.Cu w0.2: v1(59.38,20) 60.97,18.4 v1(61.45,18.4)
  In2.Cu w0.75: 52.38,66.75 31.45,66.75 ; 52.38,66.75 52.38,72.03 v1(53.55,73.2) ; 52.38,66.75 52.38,35.08 58.45,29 61.1,29 63.88,26.22 63.88,20.12 v1(61.45,17.7) ; 31.45,66.75 27.5,66.75 ; 31.45,66.75 31.45,65.85 v1(31.5,65.8) ; 27.5,66.75 6.95,66.75 5.55,65.35 5.55,65.2 v1(5.5,65.25) ; 27.5,66.75 v1(27.5,73.75)